# Altium PCB PrintNC_GRBLHAL_Breakout.pcbdoc (part 8 of 9) (continued)
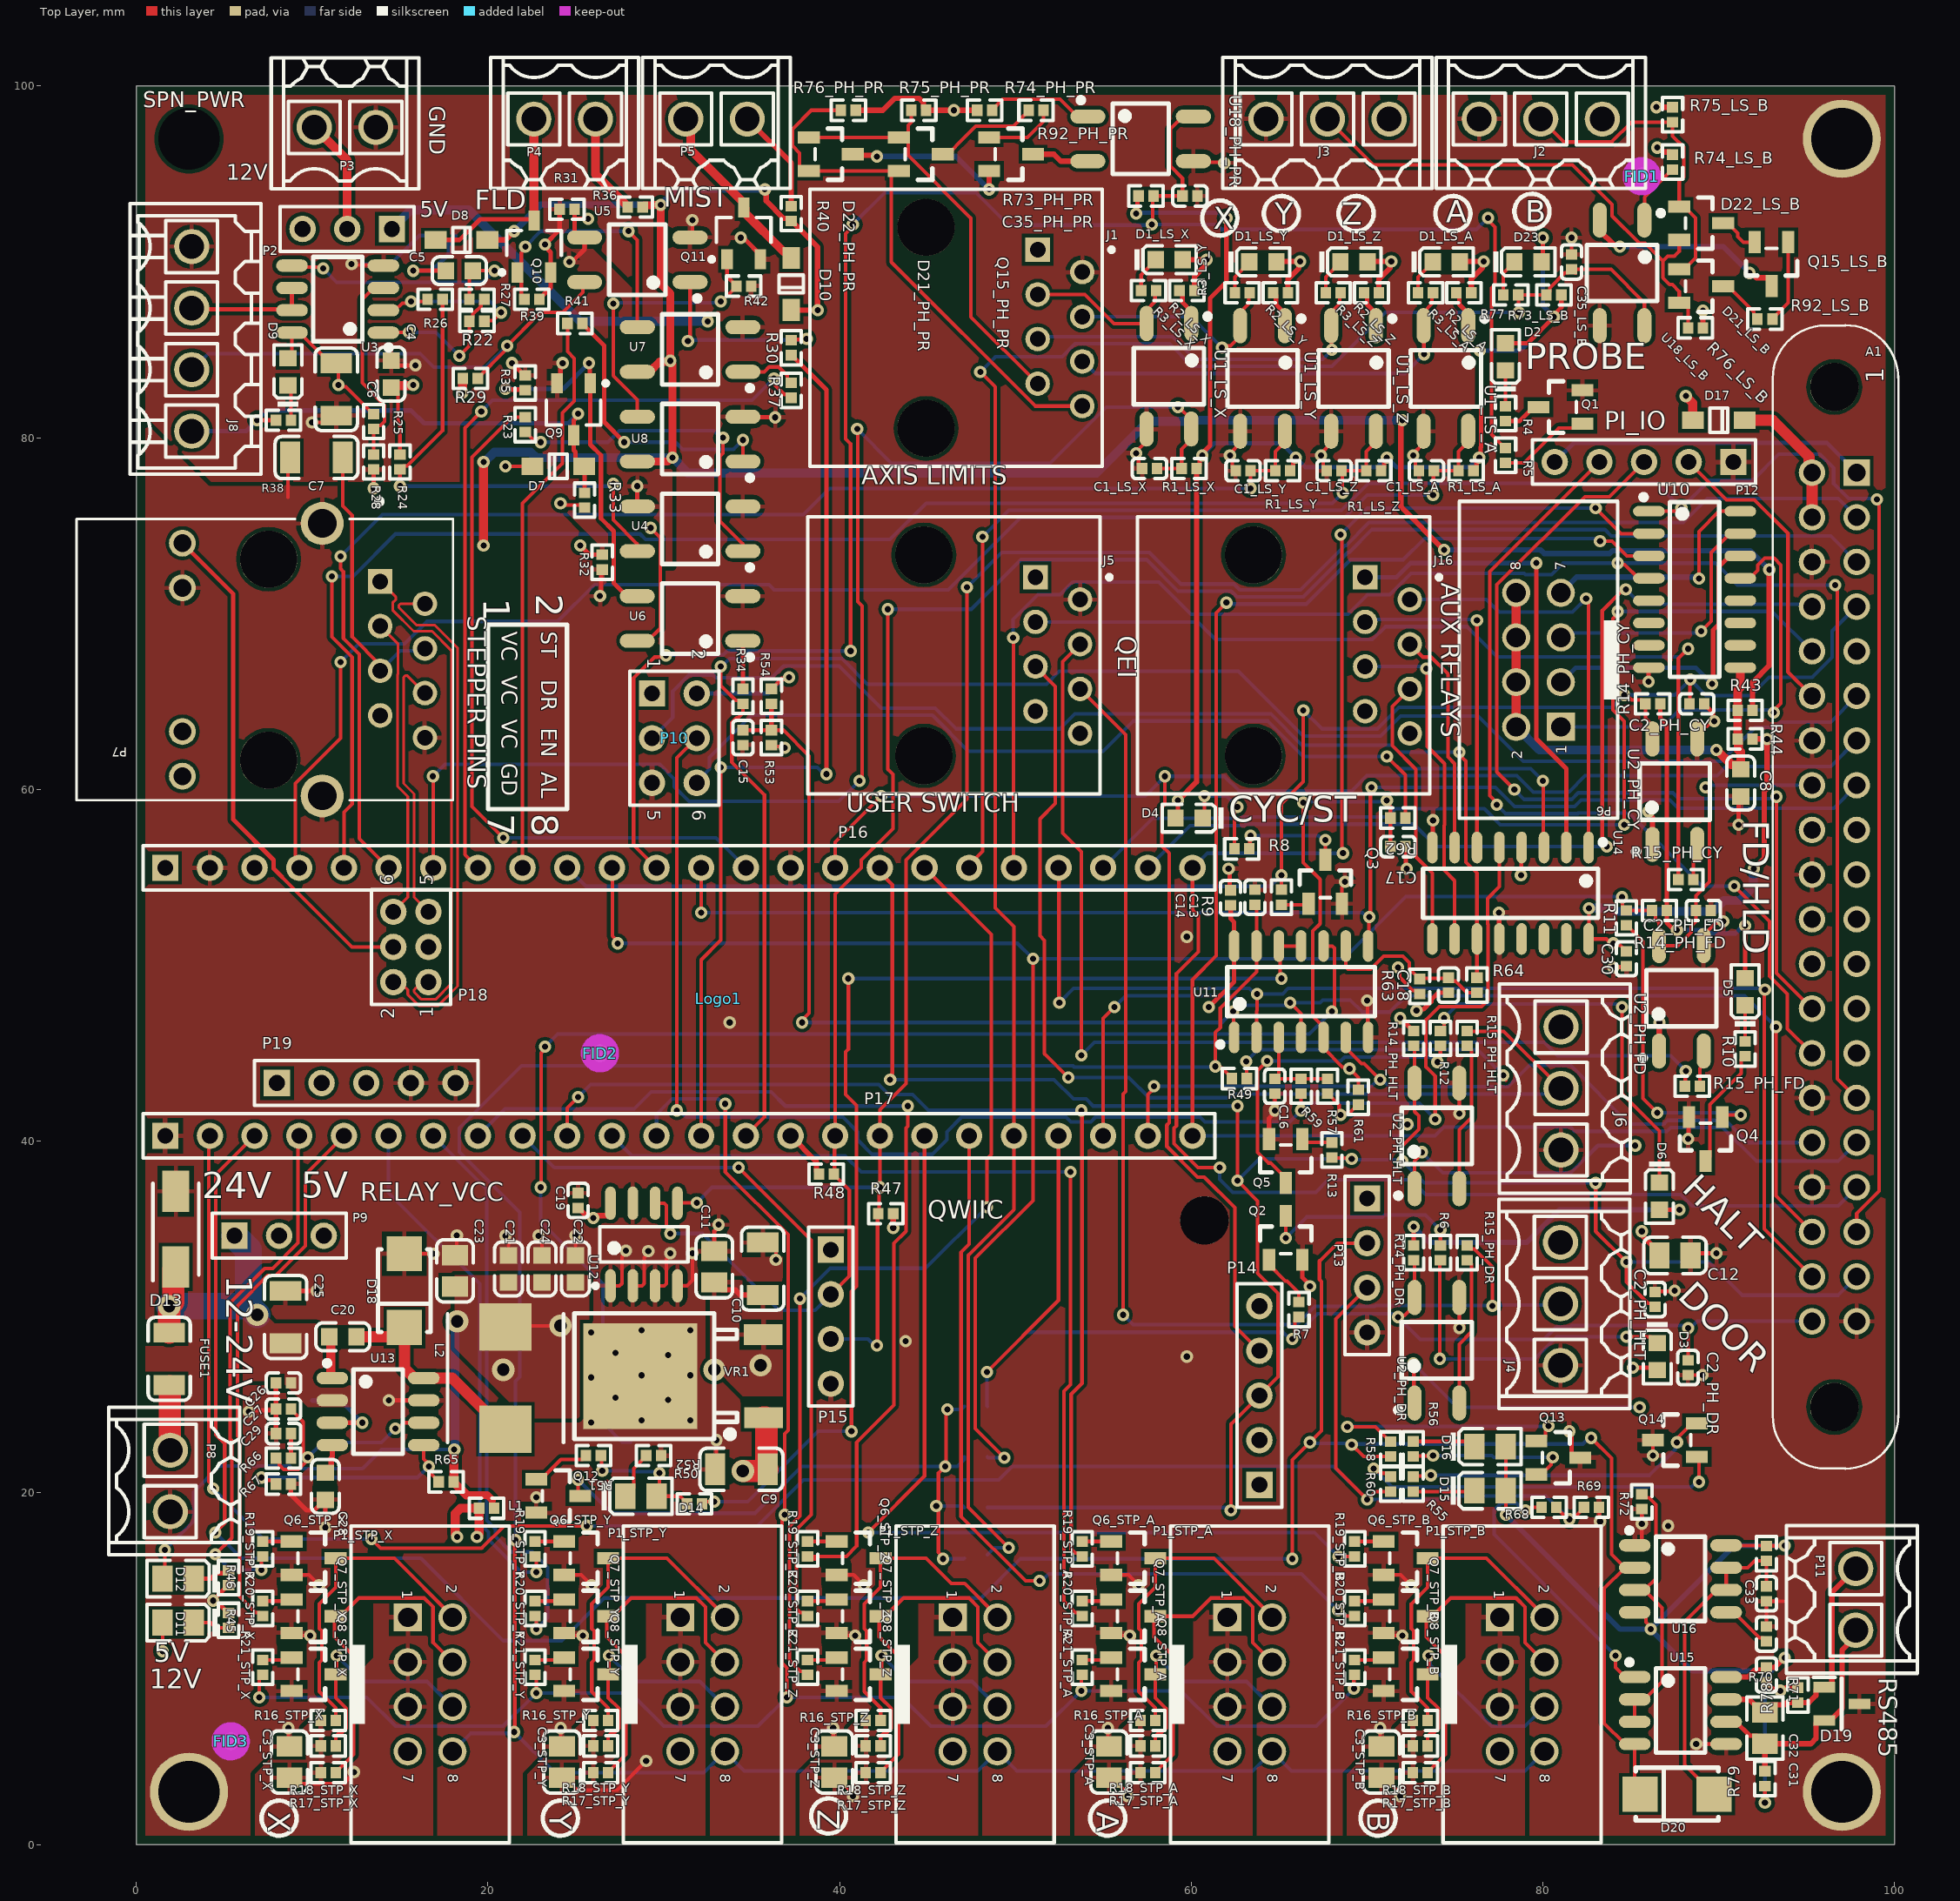
[diagram p0: Top Layer view]
## Nets (pads, with @x,y where several pads share a name; then routed paths per layer and width w, separated by ;. In a path a pad name is that pad's centre, name@x,y a point inside that pad or via, vN(x,y) a via of type N, cw(c..) or ccw(c..) an arc to the next point about the centre after c; other vN are vias at no path point) (continued)
Logo1.1_1614 Logo1.1_1615 Logo1.1_1616 Logo1.1_1617 Logo1.1_1618 Logo1.1_1619 Logo1.1_1620 Logo1.1_1621 Logo1.1_1622 Logo1.1_1623 Logo1.1_1624 Logo1.1_1625 Logo1.1_1626 Logo1.1_1627 Logo1.1_1628 Logo1.1_1629 Logo1.1_1630 Logo1.1_1631 Logo1.1_1632 Logo1.1_1633 Logo1.1_1634 Logo1.1_1635 Logo1.1_1636 Logo1.1_1637 Logo1.1_1638 Logo1.1_1639 Logo1.1_1640 Logo1.1_1641 Logo1.1_1642 Logo1.1_1643 Logo1.1_1644 Logo1.1_1645 Logo1.1_1646 Logo1.1_1647 Logo1.1_1648 Logo1.1_1649 Logo1.1_1650 Logo1.1_1651 Logo1.1_1652 Logo1.1_1653 Logo1.1_1654 Logo1.1_1655 Logo1.1_1656 Logo1.1_1657 Logo1.1_1658 Logo1.1_1659 Logo1.1_1660 Logo1.1_1661 Logo1.1_1662 Logo1.1_1663 Logo1.1_1664 Logo1.1_1665 Logo1.1_1666 Logo1.1_1667 Logo1.1_1668 Logo1.1_1669 Logo1.1_1670 Logo1.1_1671 Logo1.1_1672 Logo1.1_1673 Logo1.1_1674 Logo1.1_1675 Logo1.1_1676 Logo1.1_1677 Logo1.1_1678 Logo1.1_1679 Logo1.1_1680 Logo1.1_1681 Logo1.1_1682 Logo1.1_1683 Logo1.1_1684 Logo1.1_1685 Logo1.1_1686 Logo1.1_1687 Logo1.1_1688 Logo1.1_1689 Logo1.1_1690 Logo1.1_1691 Logo1.1_1692 Logo1.1_1693 Logo1.1_1694 Logo1.1_1695 Logo1.1_1696 Logo1.1_1697 Logo1.1_1698 Logo1.1_1699 Logo1.1_1700 Logo1.1_1701 Logo1.1_1702 Logo1.1_1703 Logo1.1_1704 Logo1.1_1705 Logo1.1_1706 Logo1.1_1707 Logo1.1_1708 Logo1.1_1709 Logo1.1_1710 Logo1.1_1711 Logo1.1_1712 Logo1.1_1713 Logo1.1_1714 Logo1.1_1715 Logo1.1_1716 Logo1.1_1717 Logo1.1_1718 Logo1.1_1719 Logo1.1_1720 Logo1.1_1721 Logo1.1_1722 Logo1.1_1723 Logo1.1_1724 Logo1.1_1725 Logo1.1_1726 Logo1.1_1727 Logo1.1_1728 Logo1.1_1729 Logo1.1_1730 Logo1.1_1731 Logo1.1_1732 Logo1.1_1733 Logo1.1_1734 Logo1.1_1735 Logo1.1_1736 Logo1.1_1737 Logo1.1_1738 Logo1.1_1739 Logo1.1_1740 Logo1.1_1741 Logo1.1_1742 Logo1.1_1743 Logo1.1_1744 Logo1.1_1745 Logo1.1_1746 Logo1.1_1747 Logo1.1_1748 Logo1.1_1749 Logo1.1_1750 Logo1.1_1751 Logo1.1_1752 Logo1.1_1753 Logo1.1_1754 Logo1.1_1755 Logo1.1_1756 Logo1.1_1757 Logo1.1_1758 Logo1.1_1759 Logo1.1_1760 Logo1.1_1761 Logo1.1_1762 Logo1.1_1763 Logo1.1_1764 Logo1.1_1765 Logo1.1_1766 Logo1.1_1767 Logo1.1_1768 Logo1.1_1769 Logo1.1_1770 Logo1.1_1771 Logo1.1_1772 Logo1.1_1773 Logo1.1_1774 Logo1.1_1775 Logo1.1_1776 Logo1.1_1777 Logo1.1_1778 Logo1.1_1779 Logo1.1_1780 Logo1.1_1781 Logo1.1_1782 Logo1.1_1783 Logo1.1_1784 Logo1.1_1785 Logo1.1_1786 Logo1.1_1787 Logo1.1_1788 Logo1.1_1789 Logo1.1_1790 Logo1.1_1791 Logo1.1_1792 Logo1.1_1793 Logo1.1_1794 Logo1.1_1795 Logo1.1_1796 Logo1.1_1797 Logo1.1_1798 Logo1.1_1799 Logo1.1_1800 Logo1.1_1801 Logo1.1_1802 Logo1.1_1803 Logo1.1_1804 Logo1.1_1805 Logo1.1_1806 Logo1.1_1807 Logo1.1_1808 Logo1.1_1809 Logo1.1_1810 Logo1.1_1811 Logo1.1_1812 Logo1.1_1813 Logo1.1_1814 Logo1.1_1815 Logo1.1_1816 Logo1.1_1817 Logo1.1_1818 Logo1.1_1819 Logo1.1_1820 Logo1.1_1821 Logo1.1_1822 Logo1.1_1823 Logo1.1_1824 Logo1.1_1825 Logo1.1_1826 Logo1.1_1827 Logo1.1_1828 Logo1.1_1829 Logo1.1_1830 Logo1.1_1831 Logo1.1_1832 Logo1.1_1833 Logo1.1_1834 Logo1.1_1835 Logo1.1_1836 Logo1.1_1837 Logo1.1_1838 Logo1.1_1839 Logo1.1_1840 Logo1.1_1841 Logo1.1_1842 Logo1.1_1843 Logo1.1_1844 Logo1.1_1845 Logo1.1_1846 Logo1.1_1847 Logo1.1_1848 Logo1.1_1849 Logo1.1_1850 Logo1.1_1851 Logo1.1_1852 Logo1.1_1853 Logo1.1_1854 Logo1.1_1855 Logo1.1_1856 Logo1.1_1857 Logo1.1_1858 Logo1.1_1859 Logo1.1_1860 Logo1.1_1861 Logo1.1_1862 Logo1.1_1863 Logo1.1_1864 Logo1.1_1865 Logo1.1_1866 Logo1.1_1867 Logo1.1_1868 Logo1.1_1869 Logo1.1_1870 Logo1.1_1871 Logo1.1_1872 Logo1.1_1873 Logo1.1_1874 Logo1.1_1875 Logo1.1_1876 Logo1.1_1877 Logo1.1_1878 Logo1.1_1879 Logo1.1_1880 Logo1.1_1881 Logo1.1_1882 Logo1.1_1883 Logo1.1_1884 Logo1.1_1885 Logo1.1_1886 Logo1.1_1887 Logo1.1_1888 Logo1.1_1889 Logo1.1_1890 Logo1.1_1891 Logo1.1_1892 Logo1.1_1893 Logo1.1_1894 Logo1.1_1895 Logo1.1_1896 Logo1.1_1897 Logo1.1_1898 Logo1.1_1899 Logo1.1_1900 Logo1.1_1901 Logo1.1_1902 Logo1.1_1903 Logo1.1_1904 Logo1.1_1905 Logo1.1_1906 Logo1.1_1907 Logo1.1_1908 Logo1.1_1909 Logo1.1_1910 Logo1.1_1911 Logo1.1_1912 Logo1.1_1913 Logo1.1_1914 Logo1.1_1915 Logo1.1_1916 Logo1.1_1917 Logo1.1_1918 Logo1.1_1919 Logo1.1_1920 Logo1.1_1921 Logo1.1_1922 Logo1.1_1923 Logo1.1_1924 Logo1.1_1925 Logo1.1_1926 Logo1.1_1927 Logo1.1_1928 Logo1.1_1929 Logo1.1_1930 Logo1.1_1931 Logo1.1_1932 Logo1.1_1933 Logo1.1_1934 Logo1.1_1935 Logo1.1_1936 Logo1.1_1937 Logo1.1_1938 Logo1.1_1939 Logo1.1_1940 Logo1.1_1941 Logo1.1_1942 Logo1.1_1943 Logo1.1_1944 Logo1.1_1945 Logo1.1_1946 Logo1.1_1947 Logo1.1_1948 Logo1.1_1949 Logo1.1_1950 Logo1.1_1951 Logo1.1_1952 Logo1.1_1953 Logo1.1_1954 Logo1.1_1955 Logo1.1_1956 Logo1.1_1957 Logo1.1_1958 Logo1.1_1959 Logo1.1_1960 Logo1.1_1961 Logo1.1_1962 Logo1.1_1963 Logo1.1_1964 Logo1.1_1965 Logo1.1_1966 Logo1.1_1967 Logo1.1_1968 Logo1.1_1969 Logo1.1_1970 Logo1.1_1971 Logo1.1_1972 Logo1.1_1973 Logo1.1_1974 Logo1.1_1975 Logo1.1_1976 Logo1.1_1977 Logo1.1_1978 Logo1.1_1979 Logo1.1_1980 Logo1.1_1981 Logo1.1_1982 Logo1.1_1983 Logo1.1_1984 Logo1.1_1985 Logo1.1_1986 Logo1.1_1987 Logo1.1_1988 Logo1.1_1989 Logo1.1_1990 Logo1.1_1991 Logo1.1_1992 Logo1.1_1993 Logo1.1_1994 Logo1.1_1995 Logo1.1_1996 Logo1.1_1997 Logo1.1_1998 Logo1.1_1999 Logo1.1_2000 Logo1.1_2001 Logo1.1_2002 Logo1.1_2003 Logo1.1_2004 Logo1.1_2005 Logo1.1_2006 Logo1.1_2007 Logo1.1_2008 Logo1.1_2009 Logo1.1_2010 Logo1.1_2011 Logo1.1_2012 Logo1.1_2013 Logo1.1_2014 Logo1.1_2015 Logo1.1_2016 Logo1.1_2017 Logo1.1_2018 Logo1.1_2019 Logo1.1_2020 Logo1.1_2021 Logo1.1_2022 Logo1.1_2023 Logo1.1_2024 Logo1.1_2025 Logo1.1_2026 Logo1.1_2027 Logo1.1_2028 Logo1.1_2029 Logo1.1_2030 Logo1.1_2031 Logo1.1_2032 Logo1.1_2033 Logo1.1_2034 Logo1.1_2035 Logo1.1_2036 Logo1.1_2037 Logo1.1_2038 Logo1.1_2039 Logo1.1_2040 Logo1.1_2041 Logo1.1_2042 Logo1.1_2043 Logo1.1_2044 Logo1.1_2045 Logo1.1_2046 Logo1.1_2047 Logo1.1_2048 Logo1.1_2049 Logo1.1_2050 Logo1.1_2051 Logo1.1_2052 Logo1.1_2053 Logo1.1_2054 Logo1.1_2055 Logo1.1_2056 Logo1.1_2057 Logo1.1_2058 Logo1.1_2059 Logo1.1_2060 Logo1.1_2061 Logo1.1_2062 Logo1.1_2063 Logo1.1_2064 Logo1.1_2065 Logo1.1_2066 Logo1.1_2067 Logo1.1_2068 Logo1.1_2069 Logo1.1_2070 Logo1.1_2071 Logo1.1_2072 Logo1.1_2073 Logo1.1_2074 Logo1.1_2075 Logo1.1_2076 Logo1.1_2077 Logo1.1_2078 Logo1.1_2079 Logo1.1_2080 Logo1.1_2081 Logo1.1_2082 Logo1.1_2083 Logo1.1_2084 Logo1.1_2085 Logo1.1_2086 Logo1.1_2087 Logo1.1_2088 Logo1.1_2089 Logo1.1_2090 Logo1.1_2091 Logo1.1_2092 Logo1.1_2093 Logo1.1_2094 Logo1.1_2095 Logo1.1_2096 Logo1.1_2097 Logo1.1_2098 Logo1.1_2099 Logo1.1_2100 Logo1.1_2101 Logo1.1_2102 Logo1.1_2103 Logo1.1_2104 Logo1.1_2105 Logo1.1_2106 Logo1.1_2107 Logo1.1_2108 Logo1.1_2109 Logo1.1_2110 Logo1.1_2111 Logo1.1_2112 Logo1.1_2113 Logo1.1_2114 Logo1.1_2115 Logo1.1_2116 Logo1.1_2117 Logo1.1_2118 Logo1.1_2119 Logo1.1_2120 Logo1.1_2121 Logo1.1_2122 Logo1.1_2123 Logo1.1_2124 Logo1.1_2125 Logo1.1_2126 Logo1.1_2127 Logo1.1_2128 Logo1.1_2129 Logo1.1_2130 Logo1.1_2131 Logo1.1_2132 Logo1.1_2133 Logo1.1_2134 Logo1.1_2135 Logo1.1_2136 Logo1.1_2137 Logo1.1_2138 Logo1.1_2139 Logo1.1_2140 Logo1.1_2141 Logo1.1_2142 Logo1.1_2143 Logo1.1_2144 Logo1.1_2145 Logo1.1_2146 Logo1.1_2147 Logo1.1_2148 Logo1.1_2149 Logo1.1_2150 Logo1.1_2151 Logo1.1_2152 Logo1.1_2153 Logo1.1_2154 Logo1.1_2155 Logo1.1_2156 Logo1.1_2157 Logo1.1_2158 Logo1.1_2159 Logo1.1_2160 Logo1.1_2161 Logo1.1_2162 Logo1.1_2163 Logo1.1_2164 Logo1.1_2165 Logo1.1_2166 Logo1.1_2167 Logo1.1_2168 Logo1.1_2169 Logo1.1_2170 Logo1.1_2171 Logo1.1_2172 Logo1.1_2173 Logo1.1_2174 Logo1.1_2175 Logo1.1_2176 Logo1.1_2177 Logo1.1_2178 Logo1.1_2179 Logo1.1_2180 Logo1.1_2181 Logo1.1_2182 Logo1.1_2183 Logo1.1_2184 Logo1.1_2185 Logo1.1_2186 Logo1.1_2187 Logo1.1_2188 Logo1.1_2189 Logo1.1_2190 Logo1.1_2191 Logo1.1_2192 Logo1.1_2193 Logo1.1_2194 Logo1.1_2195 Logo1.1_2196 Logo1.1_2197 Logo1.1_2198 Logo1.1_2199 Logo1.1_2200 Logo1.1_2201 Logo1.1_2202 Logo1.1_2203 Logo1.1_2204 Logo1.1_2205 Logo1.1_2206 Logo1.1_2207 Logo1.1_2208 Logo1.1_2209 Logo1.1_2210 Logo1.1_2211 Logo1.1_2212 Logo1.1_2213 Logo1.1_2214 Logo1.1_2215 Logo1.1_2216 Logo1.1_2217 Logo1.1_2218 Logo1.1_2219 Logo1.1_2220 Logo1.1_2221 Logo1.1_2222 Logo1.1_2223 Logo1.1_2224 Logo1.1_2225 Logo1.1_2226 Logo1.1_2227 Logo1.1_2228 Logo1.1_2229 Logo1.1_2230 Logo1.1_2231 Logo1.1_2232 Logo1.1_2233 Logo1.1_2234 Logo1.1_2235 Logo1.1_2236 Logo1.1_2237 Logo1.1_2238 Logo1.1_2239 Logo1.1_2240 Logo1.1_2241 Logo1.1_2242 Logo1.1_2243 Logo1.1_2244 Logo1.1_2245 Logo1.1_2246 Logo1.1_2247 Logo1.1_2248 Logo1.1_2249 Logo1.1_2250 Logo1.1_2251 Logo1.1_2252 Logo1.1_2253 Logo1.1_2254 Logo1.1_2255 Logo1.1_2256 Logo1.1_2257 Logo1.1_2258 Logo1.1_2259 Logo1.1_2260 Logo1.1_2261 Logo1.1_2262 Logo1.1_2263 Logo1.1_2264 Logo1.1_2265 Logo1.1_2266 Logo1.1_2267 Logo1.1_2268 Logo1.1_2269 Logo1.1_2270 Logo1.1_2271 Logo1.1_2272 Logo1.1_2273 Logo1.1_2274 Logo1.1_2275 Logo1.1_2276 Logo1.1_2277 Logo1.1_2278 Logo1.1_2279 Logo1.1_2280 Logo1.1_2281 Logo1.1_2282 Logo1.1_2283 Logo1.1_2284 Logo1.1_2285 Logo1.1_2286 Logo1.1_2287 Logo1.1_2288 Logo1.1_2289 Logo1.1_2290 Logo1.1_2291 Logo1.1_2292 Logo1.1_2293 Logo1.1_2294 Logo1.1_2295 Logo1.1_2296 Logo1.1_2297 Logo1.1_2298 Logo1.1_2299 Logo1.1_2300 Logo1.1_2301 Logo1.1_2302 Logo1.1_2303 Logo1.1_2304 Logo1.1_2305 Logo1.1_2306 Logo1.1_2307 Logo1.1_2308 Logo1.1_2309 Logo1.1_2310 Logo1.1_2311 Logo1.1_2312 Logo1.1_2313 Logo1.1_2314 Logo1.1_2315 Logo1.1_2316 Logo1.1_2317 Logo1.1_2318 Logo1.1_2319 Logo1.1_2320 Logo1.1_2321 Logo1.1_2322 Logo1.1_2323 Logo1.1_2324 Logo1.1_2325 Logo1.1_2326 Logo1.1_2327 Logo1.1_2328 Logo1.1_2329 Logo1.1_2330 Logo1.1_2331 Logo1.1_2332 Logo1.1_2333 Logo1.1_2334 Logo1.1_2335 Logo1.1_2336 Logo1.1_2337 Logo1.1_2338 Logo1.1_2339 Logo1.1_2340 Logo1.1_2341 Logo1.1_2342 Logo1.1_2343 Logo1.1_2344 Logo1.1_2345 Logo1.1_2346 Logo1.1_2347 Logo1.1_2348 Logo1.1_2349 Logo1.1_2350 Logo1.1_2351 Logo1.1_2352 Logo1.1_2353 Logo1.1_2354 Logo1.1_2355 Logo1.1_2356 Logo1.1_2357 Logo1.1_2358 Logo1.1_2359 Logo1.1_2360 Logo1.1_2361 Logo1.1_2362 Logo1.1_2363 Logo1.1_2364 Logo1.1_2365 Logo1.1_2366 Logo1.1_2367 Logo1.1_2368 Logo1.1_2369 Logo1.1_2370 Logo1.1_2371 Logo1.1_2372 Logo1.1_2373 Logo1.1_2374 Logo1.1_2375 Logo1.1_2376 Logo1.1_2377 Logo1.1_2378 Logo1.1_2379 Logo1.1_2380 Logo1.1_2381 Logo1.1_2382 Logo1.1_2383 Logo1.1_2384 Logo1.1_2385 Logo1.1_2386 Logo1.1_2387 Logo1.1_2388 Logo1.1_2389 Logo1.1_2390 Logo1.1_2391 Logo1.1_2392 Logo1.1_2393 Logo1.1_2394 Logo1.1_2395 Logo1.1_2396 Logo1.1_2397 Logo1.1_2398 Logo1.1_2399 Logo1.1_2400 Logo1.1_2401 Logo1.1_2402 Logo1.1_2403 Logo1.1_2404 Logo1.1_2405 Logo1.1_2406 Logo1.1_2407 Logo1.1_2408 Logo1.1_2409 Logo1.1_2410 Logo1.1_2411 Logo1.1_2412 Logo1.1_2413 Logo1.1_2414 Logo1.1_2415 Logo1.1_2416 Logo1.1_2417 Logo1.1_2418 Logo1.1_2419 Logo1.1_2420 Logo1.1_2421 Logo1.1_2422 Logo1.1_2423 Logo1.1_2424 Logo1.1_2425 Logo1.1_2426 Logo1.1_2427 Logo1.1_2428 Logo1.1_2429 Logo1.1_2430 Logo1.1_2431 Logo1.1_2432 Logo1.1_2433 Logo1.1_2434 Logo1.1_2435 Logo1.1_2436 Logo1.1_2437 Logo1.1_2438 Logo1.1_2439 Logo1.1_2440 Logo1.1_2441 Logo1.1_2442 Logo1.1_2443 Logo1.1_2444 Logo1.1_2445 Logo1.1_2446 Logo1.1_2447 Logo1.1_2448 Logo1.1_2449 Logo1.1_2450 Logo1.1_2451 Logo1.1_2452 Logo1.1_2453 Logo1.1_2454 Logo1.1_2455 Logo1.1_2456 Logo1.1_2457 Logo1.1_2458 Logo1.1_2459 Logo1.1_2460 Logo1.1_2461 Logo1.1_2462 Logo1.1_2463 Logo1.1_2464 Logo1.1_2465 Logo1.1_2466 Logo1.1_2467 Logo1.1_2468 Logo1.1_2469 Logo1.1_2470 Logo1.1_2471 Logo1.1_2472 Logo1.1_2473 Logo1.1_2474 Logo1.1_2475 Logo1.1_2476 Logo1.1_2477 Logo1.1_2478 Logo1.1_2479 Logo1.1_2480 Logo1.1_2481 Logo1.1_2482 Logo1.1_2483 Logo1.1_2484 Logo1.1_2485 Logo1.1_2486 Logo1.1_2487 Logo1.1_2488 Logo1.1_2489 Logo1.1_2490 Logo1.1_2491 Logo1.1_2492 Logo1.1_2493 Logo1.1_2494 Logo1.1_2495 Logo1.1_2496 Logo1.1_2497 Logo1.1_2498 Logo1.1_2499 Logo1.1_2500 Logo1.1_2501 Logo1.1_2502 Logo1.1_2503 Logo1.1_2504 Logo1.1_2505 Logo1.1_2506 Logo1.1_2507 Logo1.1_2508 Logo1.1_2509 Logo1.1_2510 Logo1.1_2511 Logo1.1_2512 Logo1.1_2513 Logo1.1_2514 Logo1.1_2515 Logo1.1_2516 Logo1.1_2517 Logo1.1_2518 Logo1.1_2519 Logo1.1_2520 Logo1.1_2521 Logo1.1_2522 Logo1.1_2523 Logo1.1_2524 Logo1.1_2525 Logo1.1_2526 Logo1.1_2527 Logo1.1_2528 Logo1.1_2529 Logo1.1_2530 Logo1.1_2531 Logo1.1_2532 Logo1.1_2533 Logo1.1_2534 Logo1.1_2535 Logo1.1_2536 Logo1.1_2537 Logo1.1_2538 Logo1.1_2539 Logo1.1_2540 Logo1.1_2541 Logo1.1_2542 Logo1.1_2543 Logo1.1_2544 Logo1.1_2545 Logo1.1_2546 Logo1.1_2547 Logo1.1_2548 Logo1.1_2549 Logo1.1_2550 Logo1.1_2551 Logo1.1_2552 Logo1.1_2553 Logo1.1_2554 Logo1.1_2555 Logo1.1_2556 Logo1.1_2557 Logo1.1_2558 Logo1.1_2559 Logo1.1_2560 Logo1.1_2561 Logo1.1_2562 Logo1.1_2563 Logo1.1_2564 Logo1.1_2565 Logo1.1_2566 Logo1.1_2567 Logo1.1_2568 Logo1.1_2569 Logo1.1_2570 Logo1.1_2571 Logo1.1_2572 Logo1.1_2573 Logo1.1_2574 Logo1.1_2575 Logo1.1_2576 Logo1.1_2577 Logo1.1_2578 Logo1.1_2579 Logo1.1_2580 Logo1.1_2581 Logo1.1_2582 Logo1.1_2583 Logo1.1_2584 Logo1.1_2585 Logo1.1_2586 Logo1.1_2587 Logo1.1_2588 Logo1.1_2589 Logo1.1_2590 Logo1.1_2591 Logo1.1_2592 Logo1.1_2593 Logo1.1_2594 Logo1.1_2595 Logo1.1_2596 Logo1.1_2597 Logo1.1_2598 Logo1.1_2599 Logo1.1_2600 Logo1.1_2601 Logo1.1_2602 Logo1.1_2603 Logo1.1_2604 Logo1.1_2605 Logo1.1_2606 Logo1.1_2607 Logo1.1_2608 Logo1.1_2609 Logo1.1_2610 Logo1.1_2611 Logo1.1_2612 Logo1.1_2613 Logo1.1_2614 Logo1.1_2615 Logo1.1_2616 Logo1.1_2617 Logo1.1_2618 Logo1.1_2619 Logo1.1_2620 Logo1.1_2621 Logo1.1_2622 Logo1.1_2623 Logo1.1_2624 Logo1.1_2625 Logo1.1_2626 Logo1.1_2627 Logo1.1_2628 Logo1.1_2629 Logo1.1_2630 Logo1.1_2631 Logo1.1_2632 Logo1.1_2633 Logo1.1_2634 Logo1.1_2635 Logo1.1_2636 Logo1.1_2637 Logo1.1_2638 Logo1.1_2639 Logo1.1_2640 Logo1.1_2641 Logo1.1_2642 Logo1.1_2643 Logo1.1_2644 Logo1.1_2645 Logo1.1_2646 Logo1.1_2647 Logo1.1_2648 Logo1.1_2649 Logo1.1_2650 Logo1.1_2651 Logo1.1_2652 Logo1.1_2653 Logo1.1_2654 Logo1.1_2655 Logo1.1_2656 Logo1.1_2657 Logo1.1_2658 Logo1.1_2659 Logo1.1_2660 Logo1.1_2661 Logo1.1_2662 Logo1.1_2663 Logo1.1_2664 Logo1.1_2665 Logo1.1_2666 Logo1.1_2667 Logo1.1_2668 Logo1.1_2669 Logo1.1_2670 Logo1.1_2671 Logo1.1_2672 Logo1.1_2673 Logo1.1_2674 Logo1.1_2675 Logo1.1_2676 Logo1.1_2677 Logo1.1_2678 Logo1.1_2679 Logo1.1_2680 Logo1.1_2681 Logo1.1_2682 Logo1.1_2683 Logo1.1_2684 Logo1.1_2685 Logo1.1_2686 Logo1.1_2687 Logo1.1_2688 Logo1.1_2689 Logo1.1_2690 Logo1.1_2691 Logo1.1_2692 Logo1.1_2693 Logo1.1_2694 Logo1.1_2695 Logo1.1_2696 Logo1.1_2697 Logo1.1_2698 Logo1.1_2699 Logo1.1_2700 Logo1.1_2701 Logo1.1_2702 Logo1.1_2703 Logo1.1_2704 Logo1.1_2705 Logo1.1_2706 Logo1.1_2707 Logo1.1_2708 Logo1.1_2709 Logo1.1_2710 Logo1.1_2711 Logo1.1_2712 Logo1.1_2713 Logo1.1_2714 Logo1.1_2715 Logo1.1_2716 Logo1.1_2717 Logo1.1_2718 Logo1.1_2719 Logo1.1_2720 Logo1.1_2721 Logo1.1_2722 Logo1.1_2723 Logo1.1_2724 Logo1.1_2725 Logo1.1_2726 Logo1.1_2727 Logo1.1_2728 Logo1.1_2729 Logo1.1_2730 Logo1.1_2731 Logo1.1_2732 Logo1.1_2733 Logo1.1_2734 Logo1.1_2735 Logo1.1_2736 Logo1.1_2737 Logo1.1_2738 Logo1.1_2739 Logo1.1_2740 Logo1.1_2741 Logo1.1_2742 Logo1.1_2743 Logo1.1_2744 Logo1.1_2745 Logo1.1_2746 Logo1.1_2747 Logo1.1_2748 Logo1.1_2749 Logo1.1_2750 Logo1.1_2751 Logo1.1_2752 Logo1.1_2753 Logo1.1_2754 Logo1.1_2755 Logo1.1_2756 Logo1.1_2757 Logo1.1_2758 Logo1.1_2759 Logo1.1_2760 Logo1.1_2761 Logo1.1_2762 Logo1.1_2763 Logo1.1_2764 Logo1.1_2765 Logo1.1_2766 Logo1.1_2767 Logo1.1_2768 Logo1.1_2769 Logo1.1_2770 Logo1.1_2771 Logo1.1_2772 Logo1.1_2773 Logo1.1_2774 Logo1.1_2775 Logo1.1_2776 Logo1.1_2777 Logo1.1_2778 Logo1.1_2779 Logo1.1_2780 Logo1.1_2781 Logo1.1_2782 Logo1.1_2783 Logo1.1_2784 Logo1.1_2785 Logo1.1_2786 Logo1.1_2787 Logo1.1_2788 Logo1.1_2789 Logo1.1_2790 Logo1.1_2791 Logo1.1_2792 Logo1.1_2793 Logo1.1_2794 Logo1.1_2795 Logo1.1_2796 Logo1.1_2797 Logo1.1_2798 Logo1.1_2799 Logo1.1_2800 Logo1.1_2801 Logo1.1_2802 Logo1.1_2803 Logo1.1_2804 Logo1.1_2805 Logo1.1_2806 Logo1.1_2807 Logo1.1_2808 Logo1.1_2809 Logo1.1_2810 Logo1.1_2811 Logo1.1_2812 Logo1.1_2813 Logo1.1_2814 Logo1.1_2815 Logo1.1_2816 Logo1.1_2817 Logo1.1_2818 Logo1.1_2819 Logo1.1_2820 Logo1.1_2821 Logo1.1_2822 Logo1.1_2823 Logo1.1_2824 Logo1.1_2825 Logo1.1_2826 Logo1.1_2827 Logo1.1_2828 Logo1.1_2829 Logo1.1_2830 Logo1.1_2831 Logo1.1_2832 Logo1.1_2833 Logo1.1_2834 Logo1.1_2835 Logo1.1_2836 Logo1.1_2837 Logo1.1_2838 Logo1.1_2839 Logo1.1_2840 Logo1.1_2841 Logo1.1_2842 Logo1.1_2843 Logo1.1_2844 Logo1.1_2845 Logo1.1_2846 Logo1.1_2847 Logo1.1_2848 Logo1.1_2849 Logo1.1_2850 Logo1.1_2851 Logo1.1_2852 Logo1.1_2853 Logo1.1_2854 Logo1.1_2855 Logo1.1_2856 Logo1.1_2857 Logo1.1_2858 Logo1.1_2859 Logo1.1_2860 Logo1.1_2861 Logo1.1_2862 Logo1.1_2863 Logo1.1_2864 Logo1.1_2865 Logo1.1_2866 Logo1.1_2867 Logo1.1_2868 Logo1.1_2869 Logo1.1_2870 Logo1.1_2871 Logo1.1_2872 Logo1.1_2873 Logo1.1_2874 Logo1.1_2875 Logo1.1_2876 Logo1.1_2877 Logo1.1_2878 Logo1.1_2879 Logo1.1_2880 Logo1.1_2881 Logo1.1_2882 Logo1.1_2883 Logo1.1_2884 Logo1.1_2885 Logo1.1_2886 Logo1.1_2887 Logo1.1_2888 Logo1.1_2889 Logo1.1_2890 Logo1.1_2891 Logo1.1_2892 Logo1.1_2893 Logo1.1_2894 Logo1.1_2895 Logo1.1_2896 Logo1.1_2897 Logo1.1_2898 Logo1.1_2899 Logo1.1_2900 Logo1.1_2901 Logo1.1_2902 Logo1.1_2903 Logo1.1_2904 Logo1.1_2905 Logo1.1_2906 Logo1.1_2907 Logo1.1_2908 Logo1.1_2909 Logo1.1_2910 Logo1.1_2911 Logo1.1_2912 Logo1.1_2913 Logo1.1_2914 Logo1.1_2915 Logo1.1_2916 Logo1.1_2917 Logo1.1_2918 Logo1.1_2919 Logo1.1_2920 Logo1.1_2921 Logo1.1_2922 Logo1.1_2923 Logo1.1_2924 Logo1.1_2925 Logo1.1_2926 Logo1.1_2927 Logo1.1_2928 Logo1.1_2929 Logo1.1_2930 Logo1.1_2931 Logo1.1_2932 Logo1.1_2933 Logo1.1_2934 Logo1.1_2935 Logo1.1_2936 Logo1.1_2937 Logo1.1_2938 Logo1.1_2939 Logo1.1_2940 Logo1.1_2941 Logo1.1_2942 Logo1.1_2943 Logo1.1_2944 Logo1.1_2945 Logo1.1_2946 Logo1.1_2947 Logo1.1_2948 Logo1.1_2949 Logo1.1_2950 Logo1.1_2951 Logo1.1_2952 Logo1.1_2953 Logo1.1_2954 Logo1.1_2955 Logo1.1_2956 Logo1.1_2957 Logo1.1_2958 Logo1.1_2959 Logo1.1_2960 Logo1.1_2961 Logo1.1_2962 Logo1.1_2963 Logo1.1_2964 Logo1.1_2965 Logo1.1_2966 Logo1.1_2967 Logo1.1_2968 Logo1.1_2969 Logo1.1_2970 Logo1.1_2971 Logo1.1_2972 Logo1.1_2973 Logo1.1_2974 Logo1.1_2975 Logo1.1_2976 Logo1.1_2977 Logo1.1_2978 Logo1.1_2979 Logo1.1_2980 Logo1.1_2981 Logo1.1_2982 Logo1.1_2983 Logo1.1_2984 Logo1.1_2985 Logo1.1_2986 Logo1.1_2987 Logo1.1_2988 Logo1.1_2989 Logo1.1_2990 Logo1.1_2991 Logo1.1_2992 Logo1.1_2993 Logo1.1_2994 Logo1.1_2995 Logo1.1_2996 Logo1.1_2997 Logo1.1_2998 Logo1.1_2999 Logo1.1_3000 Logo1.1_3001 Logo1.1_3002 Logo1.1_3003 Logo1.1_3004 Logo1.1_3005 Logo1.1_3006 Logo1.1_3007 Logo1.1_3008 Logo1.1_3009 Logo1.1_3010 Logo1.1_3011 Logo1.1_3012 Logo1.1_3013 Logo1.1_3014 Logo1.1_3015 Logo1.1_3016 Logo1.1_3017 Logo1.1_3018 Logo1.1_3019 Logo1.1_3020 Logo1.1_3021 Logo1.1_3022 Logo1.1_3023 Logo1.1_3024 Logo1.1_3025 Logo1.1_3026 Logo1.1_3027 Logo1.1_3028 Logo1.1_3029 Logo1.1_3030 Logo1.1_3031 Logo1.1_3032 Logo1.1_3033 Logo1.1_3034 Logo1.1_3035 Logo1.1_3036 Logo1.1_3037 Logo1.1_3038 Logo1.1_3039 Logo1.1_3040 Logo1.1_3041 Logo1.1_3042 Logo1.1_3043 Logo1.1_3044 Logo1.1_3045 Logo1.1_3046 Logo1.1_3047 Logo1.1_3048 Logo1.1_3049 Logo1.1_3050 Logo1.1_3051 Logo1.1_3052 Logo1.1_3053 Logo1.1_3054 Logo1.1_3055 Logo1.1_3056 Logo1.1_3057 Logo1.1_3058 Logo1.1_3059 Logo1.1_3060 Logo1.1_3061 Logo1.1_3062 Logo1.1_3063 Logo1.1_3064 Logo1.1_3065 Logo1.1_3066 Logo1.1_3067 Logo1.1_3068 Logo1.1_3069 Logo1.1_3070 Logo1.1_3071 Logo1.1_3072 Logo1.1_3073 Logo1.1_3074 Logo1.1_3075 Logo1.1_3076 Logo1.1_3077 Logo1.1_3078 Logo1.1_3079 Logo1.1_3080 Logo1.1_3081 Logo1.1_3082 Logo1.1_3083 Logo1.1_3084 Logo1.1_3085 Logo1.1_3086 Logo1.1_3087 Logo1.1_3088 Logo1.1_3089 Logo1.1_3090 Logo1.1_3091 Logo1.1_3092 Logo1.1_3093 Logo1.1_3094 Logo1.1_3095 Logo1.1_3096 Logo1.1_3097 Logo1.1_3098 Logo1.1_3099 Logo1.1_3100 Logo1.1_3101 Logo1.1_3102 Logo1.1_3103 Logo1.1_3104 Logo1.1_3105 Logo1.1_3106 Logo1.1_3107 Logo1.1_3108 Logo1.1_3109 Logo1.1_3110 Logo1.1_3111 Logo1.1_3112 Logo1.1_3113 Logo1.1_3114 Logo1.1_3115 Logo1.1_3116 Logo1.1_3117 Logo1.1_3118 Logo1.1_3119 Logo1.1_3120 Logo1.1_3121 Logo1.1_3122 Logo1.1_3123 Logo1.1_3124 Logo1.1_3125 Logo1.1_3126 Logo1.1_3127 Logo1.1_3128 Logo1.1_3129 Logo1.1_3130 Logo1.1_3131 Logo1.1_3132 Logo1.1_3133 Logo1.1_3134 Logo1.1_3135 Logo1.1_3136 Logo1.1_3137 Logo1.1_3138 Logo1.1_3139 Logo1.1_3140 Logo1.1_3141 Logo1.1_3142 Logo1.1_3143 Logo1.1_3144 Logo1.1_3145 Logo1.1_3146 Logo1.1_3147 Logo1.1_3148 Logo1.1_3149 Logo1.1_3150 Logo1.1_3151 Logo1.1_3152 Logo1.1_3153 Logo1.1_3154 Logo1.1_3155 Logo1.1_3156 Logo1.1_3157 Logo1.1_3158 Logo1.1_3159 Logo1.1_3160 Logo1.1_3161 Logo1.1_3162 Logo1.1_3163 Logo1.1_3164 Logo1.1_3165 Logo1.1_3166 Logo1.1_3167 Logo1.1_3168 Logo1.1_3169 Logo1.1_3170 Logo1.1_3171 Logo1.1_3172 Logo1.1_3173 Logo1.1_3174 Logo1.1_3175 Logo1.1_3176 Logo1.1_3177 Logo1.1_3178 Logo1.1_3179 Logo1.1_3180 Logo1.1_3181 Logo1.1_3182 Logo1.1_3183 Logo1.1_3184 Logo1.1_3185 Logo1.1_3186 Logo1.1_3187 Logo1.1_3188 Logo1.1_3189 Logo1.1_3190 Logo1.1_3191 Logo1.1_3192 Logo1.1_3193 Logo1.1_3194 Logo1.1_3195 Logo1.1_3196 Logo1.1_3197 Logo1.1_3198 Logo1.1_3199 Logo1.1_3200 Logo1.1_3201 Logo1.1_3202 Logo1.1_3203 Logo1.1_3204 Logo1.1_3205 Logo1.1_3206 Logo1.1_3207 Logo1.1_3208 Logo1.1_3209 Logo1.1_3210 Logo1.1_3211 Logo1.1_3212 Logo1.1_3213 Logo1.1_3214 Logo1.1_3215 Logo1.1_3216 Logo1.1_3217 Logo1.1_3218 Logo1.1_3219 Logo1.1_3220 Logo1.1_3221 Logo1.1_3222 Logo1.1_3223 Logo1.1_3224 Logo1.1_3225 Logo1.1_3226 Logo1.1_3227 Logo1.1_3228 Logo1.1_3229 Logo1.1_3230 Logo1.1_3231 Logo1.1_3232 Logo1.1_3233 Logo1.1_3234 Logo1.1_3235 Logo1.1_3236 Logo1.1_3237 Logo1.1_3238 Logo1.1_3239 Logo1.1_3240 Logo1.1_3241 Logo1.1_3242 Logo1.1_3243 Logo1.1_3244 Logo1.1_3245 Logo1.1_3246 Logo1.1_3247 Logo1.1_3248 Logo1.1_3249 Logo1.1_3250 Logo1.1_3251 Logo1.1_3252 Logo1.1_3253 Logo1.1_3254 Logo1.1_3255 Logo1.1_3256 Logo1.1_3257 Logo1.1_3258 Logo1.1_3259 Logo1.1_3260 Logo1.1_3261 Logo1.1_3262 Logo1.1_3263 Logo1.1_3264 Logo1.1_3265 Logo1.1_3266 Logo1.1_3267 Logo1.1_3268 Logo1.1_3269 Logo1.1_3270 Logo1.1_3271 Logo1.1_3272 Logo1.1_3273 Logo1.1_3274 Logo1.1_3275 Logo1.1_3276 Logo1.1_3277 Logo1.1_3278 Logo1.1_3279 Logo1.1_3280 Logo1.1_3281 Logo1.1_3282 Logo1.1_3283 Logo1.1_3284 Logo1.1_3285 Logo1.1_3286 Logo1.1_3287 Logo1.1_3288 Logo1.1_3289 Logo1.1_3290 Logo1.1_3291 Logo1.1_3292 Logo1.1_3293 Logo1.1_3294 Logo1.1_3295 Logo1.1_3296 Logo1.1_3297 Logo1.1_3298 Logo1.1_3299 Logo1.1_3300 Logo1.1_3301 Logo1.1_3302 Logo1.1_3303 Logo1.1_3304 Logo1.1_3305 Logo1.1_3306 Logo1.1_3307 Logo1.1_3308 Logo1.1_3309 Logo1.1_3310 Logo1.1_3311 Logo1.1_3312 Logo1.1_3313 Logo1.1_3314 Logo1.1_3315 Logo1.1_3316 Logo1.1_3317 Logo1.1_3318 Logo1.1_3319 Logo1.1_3320 Logo1.1_3321 Logo1.1_3322 Logo1.1_3323 Logo1.1_3324 Logo1.1_3325 Logo1.1_3326 Logo1.1_3327 Logo1.1_3328 Logo1.1_3329 Logo1.1_3330 Logo1.1_3331 Logo1.1_3332 Logo1.1_3333 Logo1.1_3334 Logo1.1_3335 Logo1.1_3336 Logo1.1_3337 Logo1.1_3338 Logo1.1_3339 Logo1.1_3340 Logo1.1_3341 Logo1.1_3342 Logo1.1_3343 Logo1.1_3344 Logo1.1_3345 Logo1.1_3346 Logo1.1_3347 Logo1.1_3348 Logo1.1_3349 Logo1.1_3350 Logo1.1_3351 Logo1.1_3352 Logo1.1_3353 Logo1.1_3354 Logo1.1_3355 Logo1.1_3356 Logo1.1_3357 Logo1.1_3358 Logo1.1_3359 Logo1.1_3360 Logo1.1_3361 Logo1.1_3362 Logo1.1_3363 Logo1.1_3364 Logo1.1_3365 Logo1.1_3366 Logo1.1_3367 Logo1.1_3368 Logo1.1_3369 Logo1.1_3370 Logo1.1_3371 Logo1.1_3372 Logo1.1_3373 Logo1.1_3374 Logo1.1_3375 Logo1.1_3376 Logo1.1_3377 Logo1.1_3378 Logo1.1_3379 Logo1.1_3380 Logo1.1_3381 Logo1.1_3382 Logo1.1_3383 Logo1.1_3384 Logo1.1_3385 Logo1.1_3386 Logo1.1_3387 Logo1.1_3388 Logo1.1_3389 Logo1.1_3390 Logo1.1_3391 Logo1.1_3392 Logo1.1_3393 Logo1.1_3394 Logo1.1_3395 Logo1.1_3396 Logo1.1_3397 Logo1.1_3398 Logo1.1_3399 Logo1.1_3400 Logo1.1_3401 Logo1.1_3402 Logo1.1_3403 Logo1.1_3404 Logo1.1_3405 Logo1.1_3406 Logo1.1_3407 Logo1.1_3408 Logo1.1_3409 Logo1.1_3410 Logo1.1_3411 Logo1.1_3412 Logo1.1_3413 Logo1.1_3414 Logo1.1_3415 Logo1.1_3416 Logo1.1_3417 Logo1.1_3418 Logo1.1_3419 Logo1.1_3420 Logo1.1_3421 Logo1.1_3422 Logo1.1_3423 Logo1.1_3424 Logo1.1_3425 Logo1.1_3426 Logo1.1_3427 Logo1.1_3428 Logo1.1_3429 Logo1.1_3430 Logo1.1_3431 Logo1.1_3432 Logo1.1_3433 Logo1.1_3434 Logo1.1_3435 Logo1.1_3436 Logo1.1_3437 Logo1.1_3438 Logo1.1_3439 Logo1.1_3440 Logo1.1_3441 Logo1.1_3442 Logo1.1_3443 Logo1.1_3444 Logo1.1_3445 Logo1.1_3446 Logo1.1_3447 Logo1.1_3448 Logo1.1_3449 Logo1.1_3450 Logo1.1_3451 Logo1.1_3452 Logo1.1_3453 Logo1.1_3454 Logo1.1_3455 Logo1.1_3456 Logo1.1_3457 Logo1.1_3458 Logo1.1_3459 Logo1.1_3460 Logo1.1_3461 Logo1.1_3462 Logo1.1_3463 Logo1.1_3464 Logo1.1_3465 Logo1.1_3466 Logo1.1_3467 Logo1.1_3468 Logo1.1_3469 Logo1.1_3470 Logo1.1_3471 Logo1.1_3472 Logo1.1_3473 Logo1.1_3474 Logo1.1_3475 Logo1.1_3476 Logo1.1_3477 Logo1.1_3478 Logo1.1_3479 Logo1.1_3480 Logo1.1_3481 Logo1.1_3482 Logo1.1_3483 Logo1.1_3484 Logo1.1_3485 Logo1.1_3486 Logo1.1_3487 Logo1.1_3488 Logo1.1_3489 Logo1.1_3490 Logo1.1_3491 Logo1.1_3492 Logo1.1_3493 Logo1.1_3494 Logo1.1_3495 Logo1.1_3496 Logo1.1_3497 Logo1.1_3498 Logo1.1_3499 Logo1.1_3500 Logo1.1_3501 Logo1.1_3502 Logo1.1_3503 Logo1.1_3504 Logo1.1_3505 Logo1.1_3506 Logo1.1_3507 Logo1.1_3508 Logo1.1_3509 Logo1.1_3510 Logo1.1_3511 Logo1.1_3512 Logo1.1_3513 Logo1.1_3514 Logo1.1_3515 Logo1.1_3516 Logo1.1_3517 Logo1.1_3518 Logo1.1_3519 Logo1.1_3520 Logo1.1_3521 Logo1.1_3522 Logo1.1_3523 Logo1.1_3524 Logo1.1_3525 Logo1.1_3526 Logo1.1_3527 Logo1.1_3528 Logo1.1_3529 Logo1.1_3530 Logo1.1_3531 Logo1.1_3532 Logo1.1_3533 Logo1.1_3534 Logo1.1_3535 Logo1.1_3536 Logo1.1_3537 Logo1.1_3538 Logo1.1_3539 Logo1.1_3540 Logo1.1_3541 Logo1.1_3542 Logo1.1_3543 Logo1.1_3544 Logo1.1_3545 Logo1.1_3546 Logo1.1_3547 Logo1.1_3548 Logo1.1_3549 Logo1.1_3550 Logo1.1_3551 Logo1.1_3552 Logo1.1_3553 Logo1.1_3554 Logo1.1_3555 Logo1.1_3556 Logo1.1_3557 Logo1.1_3558 Logo1.1_3559 Logo1.1_3560 Logo1.1_3561 Logo1.1_3562 Logo1.1_3563 Logo1.1_3564 Logo1.1_3565 Logo1.1_3566 Logo1.1_3567 Logo1.1_3568 Logo1.1_3569 Logo1.1_3570 Logo1.1_3571 Logo1.1_3572 Logo1.1_3573 Logo1.1_3574 Logo1.1_3575 Logo1.1_3576 Logo1.1_3577 Logo1.1_3578 Logo1.1_3579 Logo1.1_3580 Logo1.1_3581 Logo1.1_3582 Logo1.1_3583 Logo1.1_3584 Logo1.1_3585 Logo1.1_3586 Logo1.1_3587 Logo1.1_3588 Logo1.1_3589 Logo1.1_3590 Logo1.1_3591 Logo1.1_3592 Logo1.1_3593 Logo1.1_3594 Logo1.1_3595 Logo1.1_3596 Logo1.1_3597 Logo1.1_3598 Logo1.1_3599 Logo1.1_3600 Logo1.1_3601 Logo1.1_3602 Logo1.1_3603 Logo1.1_3604 Logo1.1_3605 Logo1.1_3606 Logo1.1_3607 Logo1.1_3608 Logo1.1_3609 Logo1.1_3610 Logo1.1_3611 Logo1.1_3612 Logo1.1_3613 Logo1.1_3614 Logo1.1_3615 Logo1.1_3616 Logo1.1_3617 Logo1.1_3618 Logo1.1_3619 Logo1.1_3620 Logo1.1_3621 Logo1.1_3622 Logo1.1_3623 Logo1.1_3624 Logo1.1_3625 Logo1.1_3626 Logo1.1_3627 Logo1.1_3628 Logo1.1_3629 Logo1.1_3630 Logo1.1_3631 Logo1.1_3632 Logo1.1_3633 Logo1.1_3634 Logo1.1_3635 Logo1.1_3636 Logo1.1_3637 Logo1.1_3638 Logo1.1_3639 Logo1.1_3640 Logo1.1_3641 Logo1.1_3642 Logo1.1_3643 Logo1.1_3644 Logo1.1_3645 Logo1.1_3646 Logo1.1_3647 Logo1.1_3648 Logo1.1_3649 Logo1.1_3650 Logo1.1_3651 Logo1.1_3652 Logo1.1_3653 Logo1.1_3654 Logo1.1_3655 Logo1.1_3656 Logo1.1_3657 Logo1.1_3658 Logo1.1_3659 Logo1.1_3660 Logo1.1_3661 Logo1.1_3662 Logo1.1_3663 Logo1.1_3664 Logo1.1_3665 Logo1.1_3666 Logo1.1_3667 Logo1.1_3668 Logo1.1_3669 Logo1.1_3670 Logo1.1_3671 Logo1.1_3672 Logo1.1_3673 Logo1.1_3674 Logo1.1_3675 Logo1.1_3676 Logo1.1_3677 Logo1.1_3678 Logo1.1_3679 Logo1.1_3680 Logo1.1_3681 Logo1.1_3682 Logo1.1_3683 Logo1.1_3684 Logo1.1_3685 Logo1.1_3686 Logo1.1_3687 Logo1.1_3688 Logo1.1_3689 Logo1.1_3690 Logo1.1_3691 Logo1.1_3692 Logo1.1_3693 Logo1.1_3694 Logo1.1_3695 Logo1.1_3696 Logo1.1_3697 Logo1.1_3698 Logo1.1_3699 Logo1.1_3700 Logo1.1_3701 Logo1.1_3702 Logo1.1_3703 Logo1.1_3704 Logo1.1_3705 Logo1.1_3706 Logo1.1_3707 Logo1.1_3708 Logo1.1_3709 Logo1.1_3710 Logo1.1_3711 Logo1.1_3712 Logo1.1_3713 Logo1.1_3714 Logo1.1_3715 Logo1.1_3716 Logo1.1_3717 Logo1.1_3718 Logo1.1_3719 Logo1.1_3720 Logo1.1_3721 Logo1.1_3722 Logo1.1_3723 Logo1.1_3724 Logo1.1_3725 Logo1.1_3726 Logo1.1_3727 Logo1.1_3728 Logo1.1_3729 Logo1.1_3730 Logo1.1_3731 Logo1.1_3732 Logo1.1_3733 Logo1.1_3734 Logo1.1_3735 Logo1.1_3736 Logo1.1_3737 Logo1.1_3738 Logo1.1_3739 Logo1.1_3740 Logo1.1_3741 Logo1.1_3742 Logo1.1_3743 Logo1.1_3744 Logo1.1_3745 Logo1.1_3746 Logo1.1_3747 Logo1.1_3748 Logo1.1_3749 Logo1.1_3750 Logo1.1_3751 Logo1.1_3752 Logo1.1_3753 Logo1.1_3754 Logo1.1_3755 Logo1.1_3756 Logo1.1_3757 Logo1.1_3758 Logo1.1_3759 Logo1.1_3760 Logo1.1_3761 Logo1.1_3762 Logo1.1_3763 Logo1.1_3764 Logo1.1_3765 Logo1.1_3766